# Altium PCB S7.PcbDoc (part 2 of 6) (continued)
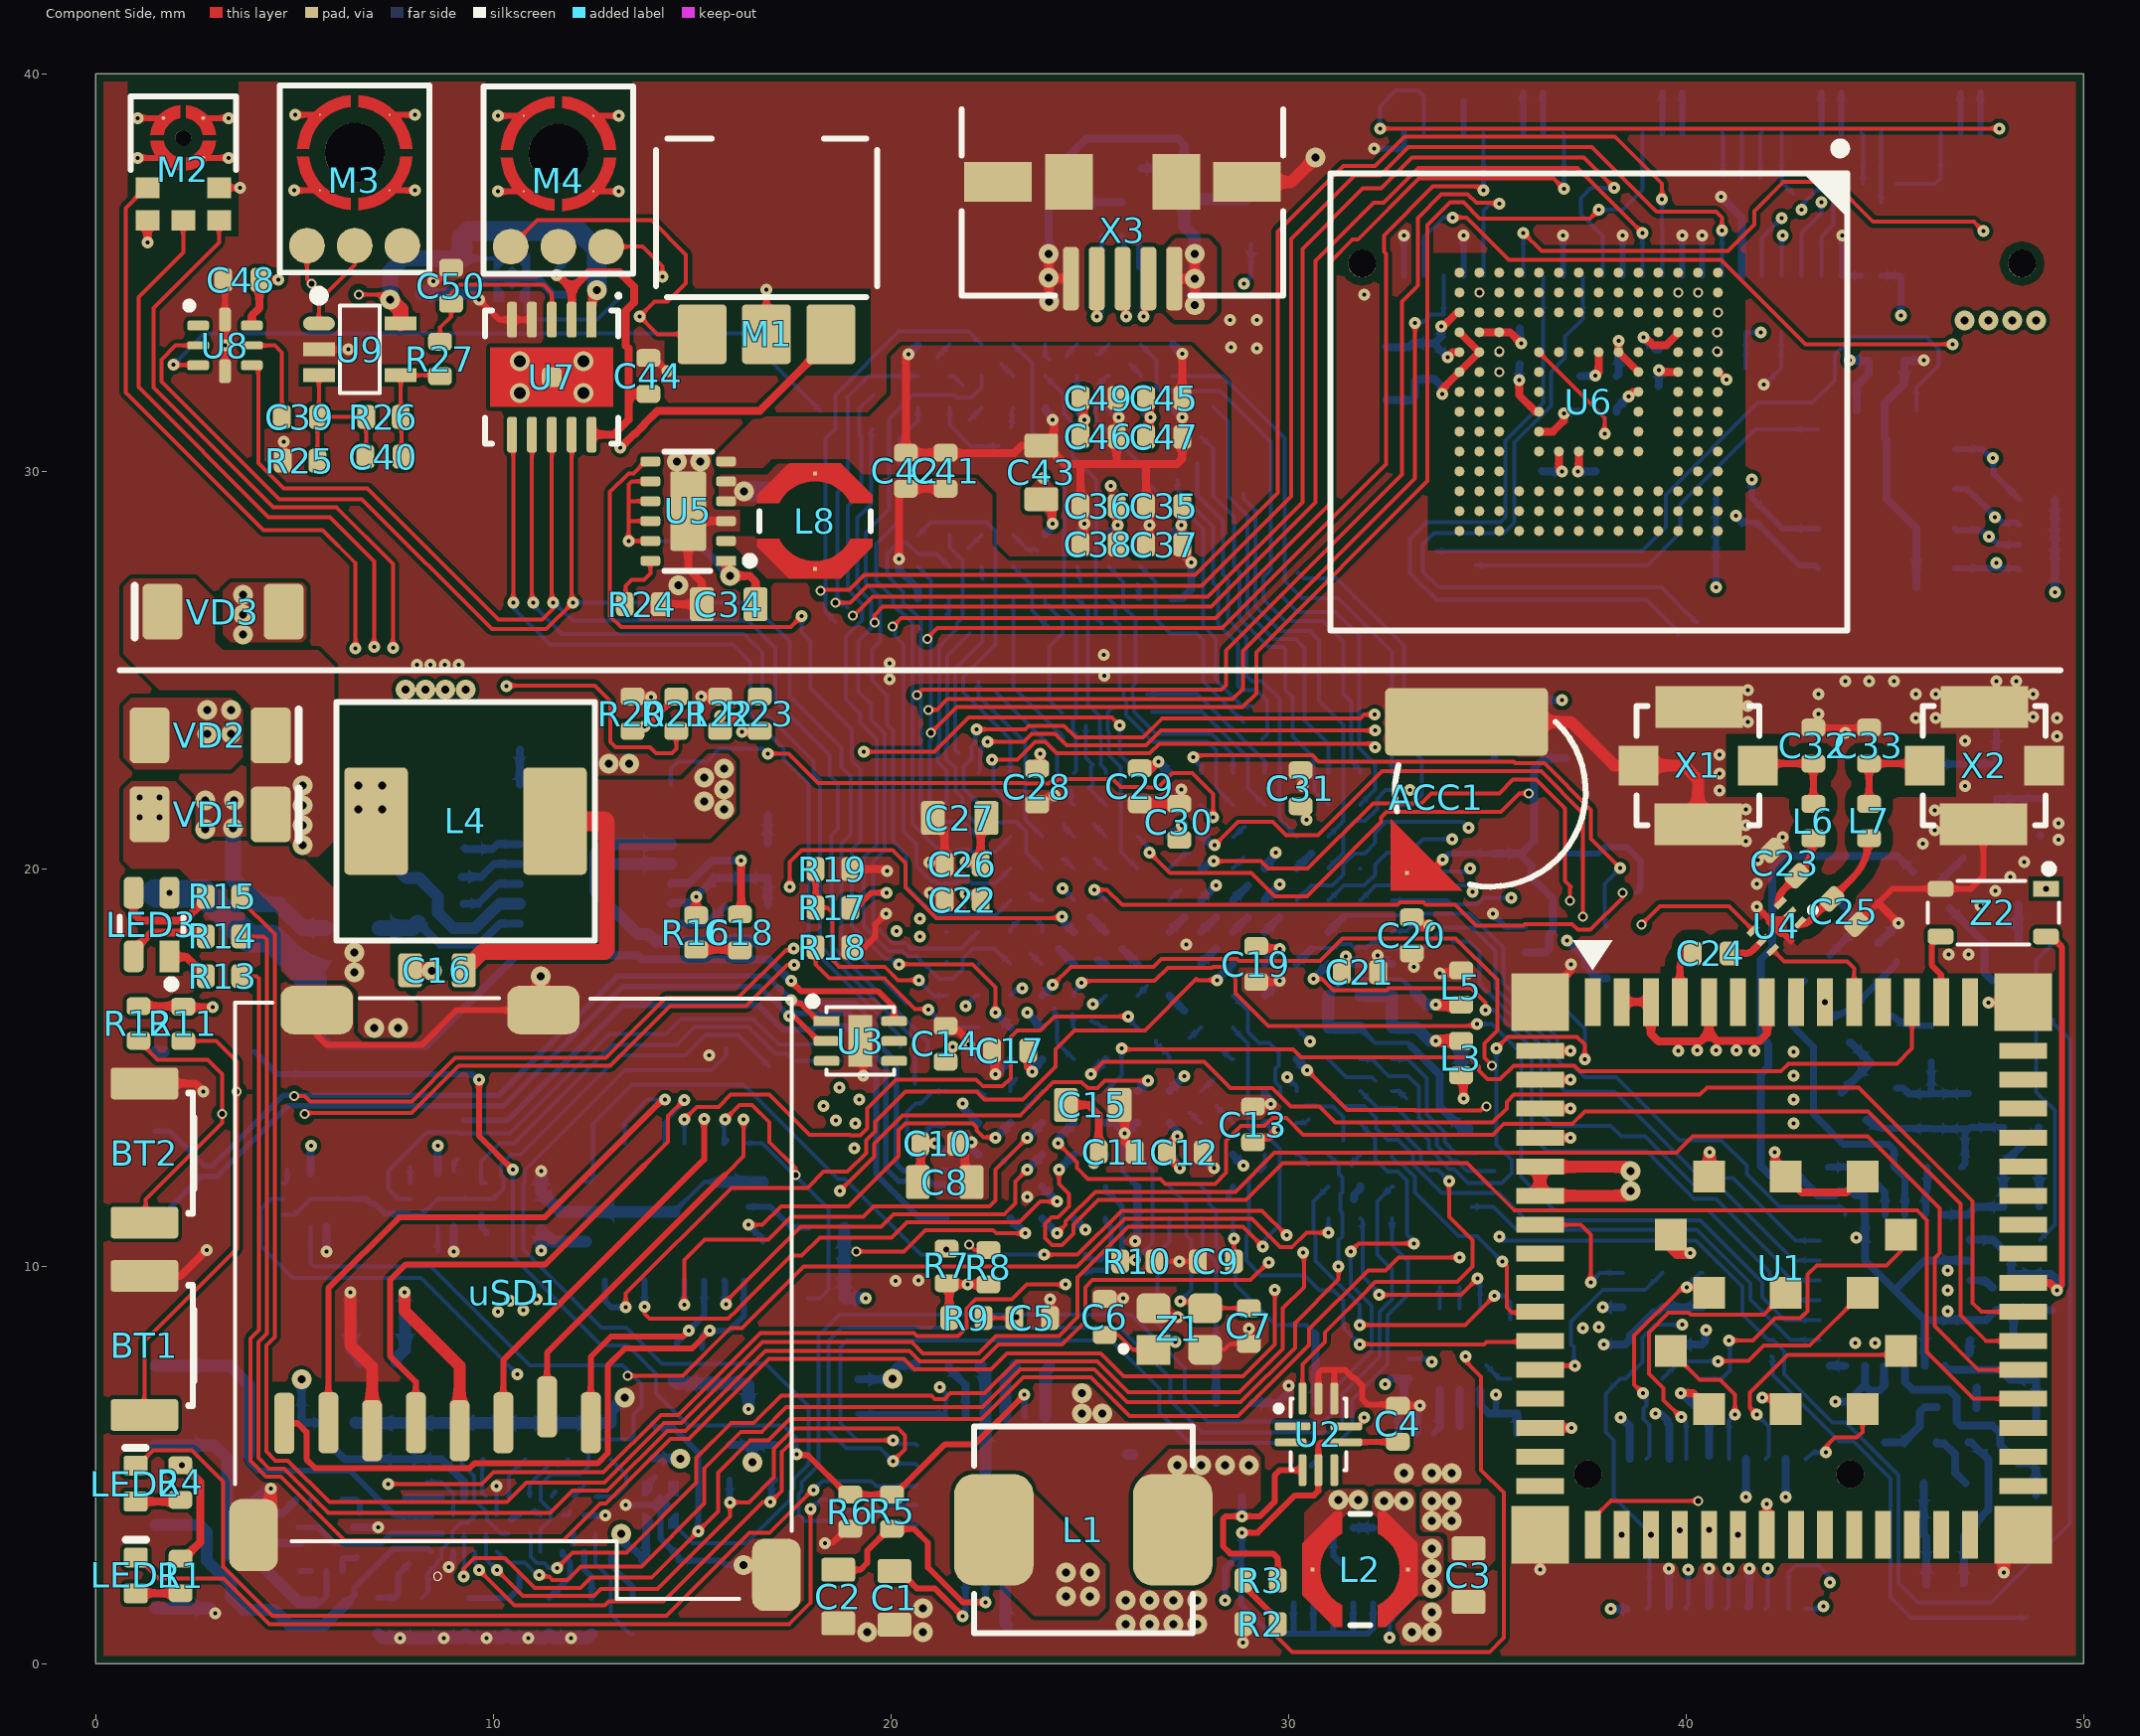
[diagram p0: Component Side view]
## Part data (continued)
R13: library part RMCF0402FT887R, "887 Ohms, ±1%, 0.063W, 1/16W, Thick Film, ±100ppm/°C, 0402 (1005 Metric), -55°C ~ 155°C, Automotive AEC-Q200", Manufacturer="Stackpole Electronics Inc", Operating Temperature="-55°C ~ 155°C", Package / Case="0402 (1005 Metric)", PartNum=RMCF0402FT887RCT-ND, Power (Watts)="0.063W, 1/16W", Temperature Coefficient=±100ppm/°C, Tolerance=±1%, Voltage=75V, Distributor=Digi-Key, Features="Automotive AEC-Q200", PartName=RMCF0402FT887R, Part Number=RMCF0402FT887R, Price=0.10000
R14: library part RMCF0402FT402R, "402 Ohms, ±1%, 0.063W, 1/16W, Thick Film, ±100ppm/°C, 0402 (1005 Metric), -55°C ~ 155°C, Automotive AEC-Q200", Manufacturer="Stackpole Electronics Inc", Operating Temperature="-55°C ~ 155°C", Package / Case="0402 (1005 Metric)", PartNum=RMCF0402FT402RCT-ND, Power (Watts)="0.063W, 1/16W", Temperature Coefficient=±100ppm/°C, Tolerance=±1%, Voltage=75V, Distributor=Digi-Key, Features="Automotive AEC-Q200", PartName=RMCF0402FT402R, Part Number=RMCF0402FT402R, Price=0.10000
R15: library part RMCF0402FT453R, "453 Ohms, ±1%, 0.063W, 1/16W, Thick Film, ±100ppm/°C, 0402 (1005 Metric), -55°C ~ 155°C, Automotive AEC-Q200", Manufacturer="Stackpole Electronics Inc", Operating Temperature="-55°C ~ 155°C", Package / Case="0402 (1005 Metric)", PartNum=RMCF0402FT453RCT-ND, Power (Watts)="0.063W, 1/16W", Temperature Coefficient=±100ppm/°C, Tolerance=±1%, Voltage=75V, Distributor=Digi-Key, Features="Automotive AEC-Q200", PartName=RMCF0402FT453R, Part Number=RMCF0402FT453R, Price=0.10000
R24: library part CRCW040210M0FKEDC, "10 MOhms, ±1%, 0.063W, 1/16W, Thick Film, ±100ppm/°C, 0402 (1005 Metric), -55°C ~ 155°C, -", Manufacturer="Vishay Dale", Operating Temperature="-55°C ~ 155°C", Package / Case="0402 (1005 Metric)", PartNum=541-4068-1-ND, Power (Watts)="0.063W, 1/16W", Temperature Coefficient=±100ppm/°C, Tolerance=±1%, Voltage=75V, Distributor=Digi-Key, Features=-, PartName=CRCW040210M0FKEDC, Part Number=CRCW040210M0FKEDC, Price=0.10000
R25: library part RMCF0402FT133K, "133 kOhms, ±1%, 0.063W, 1/16W, Thick Film, ±100ppm/°C, 0402 (1005 Metric), -55°C ~ 155°C, Automotive AEC-Q200", Manufacturer="Stackpole Electronics Inc", Operating Temperature="-55°C ~ 155°C", Package / Case="0402 (1005 Metric)", PartNum=RMCF0402FT133KCT-ND, Power (Watts)="0.063W, 1/16W", Temperature Coefficient=±100ppm/°C, Tolerance=±1%, Voltage=75V, Distributor=Digi-Key, Features="Automotive AEC-Q200", PartName=RMCF0402FT133K, Part Number=RMCF0402FT133K, Price=0.10000
R27: library part RMCF0402FT20R0, "20 Ohms, ±1%, 0.063W, 1/16W, Thick Film, ±100ppm/°C, 0402 (1005 Metric), -55°C ~ 155°C, Automotive AEC-Q200", Manufacturer="Stackpole Electronics Inc", Operating Temperature="-55°C ~ 155°C", Package / Case="0402 (1005 Metric)", PartNum=RMCF0402FT20R0CT-ND, Power (Watts)="0.063W, 1/16W", Temperature Coefficient=±100ppm/°C, Tolerance=±1%, Voltage=75V, Distributor=Digi-Key, Features="Automotive AEC-Q200", PartName=RMCF0402FT20R0, Part Number=RMCF0402FT20R0, Price=0.10000
R28: "Curr.sens.res. 0.1 Ohm, 1% , 0.333W, 0603", Manufacturer="Panasonic Electronic Components", PartNum=P17478CT-ND, Tolerance=±1%, Distributor=Digi-Key, PartName=ERJ-3BWFR100V
R30: library part RC0402FR-07220RL, "220 Ohms, ±1%, 0.063W, 1/16W, Thick Film, ±100ppm/°C, 0402 (1005 Metric), -55°C ~ 155°C, Moisture Resistant", Manufacturer=Yageo, Operating Temperature="-55°C ~ 155°C", Package / Case="0402 (1005 Metric)", PartNum=311-220LRCT-ND, Power (Watts)="0.063W, 1/16W", Temperature Coefficient=±100ppm/°C, Tolerance=±1%, Voltage=75V, Distributor=Digi-Key, Features="Moisture Resistant", PartName=RC0402FR-07220RL, Part Number=RC0402FR-07220RL, Price=0.10000
R31 R36 R37 R38 R39 R40: "10 K, 0402, Thick Film, -55..+155", Manufacturer="Rohm Semiconductor", PartNum=RHM10KJTR-ND, Tolerance=5%, Distributor=Digi-Key, PartName=MCR01MZPJ103, Price=0.1$
R33 R44 R52 R53: "22k Ohm ±5%,  4 Resistor, -55°C ~ 125°C,(2.00mm x 1.00mm)", Manufacturer="Panasonic Electronic Components", PartNum=Y7223CT-ND, Tolerance=5%, Distributor=Digi-Key, PartName=EXB-28V223JX, Price=0.1$
R41 R42: library part RMCF0402FT10R0, "10 Ohms, ±1%, 0.063W, 1/16W, Thick Film, ±100ppm/°C, 0402 (1005 Metric), -55°C ~ 155°C, Automotive AEC-Q200", Manufacturer="Stackpole Electronics Inc", Operating Temperature="-55°C ~ 155°C", Package / Case="0402 (1005 Metric)", PartNum=RMCF0402FT10R0CT-ND, Power (Watts)="0.063W, 1/16W", Temperature Coefficient=±100ppm/°C, Tolerance=±1%, Voltage=75V, Distributor=Digi-Key, Features="Automotive AEC-Q200", PartName=RMCF0402FT10R0, Part Number=RMCF0402FT10R0, Price=0.10000
R45 R46: library part RMCF0402FT100R, "100 Ohms, ±1%, 0.063W, 1/16W, Thick Film, ±100ppm/°C, 0402 (1005 Metric), -55°C ~ 155°C, Automotive AEC-Q200", Manufacturer="Stackpole Electronics Inc", Operating Temperature="-55°C ~ 155°C", Package / Case="0402 (1005 Metric)", PartNum=RMCF0402FT100RCT-ND, Power (Watts)="0.063W, 1/16W", Temperature Coefficient=±100ppm/°C, Tolerance=±1%, Voltage=75V, Distributor=Digi-Key, Features="Automotive AEC-Q200", PartName=RMCF0402FT100R, Part Number=RMCF0402FT100R, Price=0.10000
R47: library part RMCF0402FT1M00, "1 MOhms, ±1%, 0.063W, 1/16W, Thick Film, ±100ppm/°C, 0402 (1005 Metric), -55°C ~ 155°C, Automotive AEC-Q200", Manufacturer="Stackpole Electronics Inc", Operating Temperature="-55°C ~ 155°C", Package / Case="0402 (1005 Metric)", PartNum=RMCF0402FT1M00CT-ND, Power (Watts)="0.063W, 1/16W", Temperature Coefficient=±100ppm/°C, Tolerance=±1%, Voltage=75V, Distributor=Digi-Key, Features="Automotive AEC-Q200", PartName=RMCF0402FT1M00, Part Number=RMCF0402FT1M00, Price=0.10000
R48: library part RMCF0402FT51K0, "51 kOhms, ±1%, 0.063W, 1/16W, Thick Film, ±100ppm/°C, 0402 (1005 Metric), -55°C ~ 155°C, Automotive AEC-Q200", Manufacturer="Stackpole Electronics Inc", Operating Temperature="-55°C ~ 155°C", Package / Case="0402 (1005 Metric)", PartNum=RMCF0402FT51K0CT-ND, Power (Watts)="0.063W, 1/16W", Temperature Coefficient=±100ppm/°C, Tolerance=±1%, Voltage=75V, Distributor=Digi-Key, Features="Automotive AEC-Q200", PartName=RMCF0402FT51K0, Part Number=RMCF0402FT51K0, Price=0.10000
R49: library part RMCF0402FT27K0, "27 kOhms, ±1%, 0.063W, 1/16W, Thick Film, ±100ppm/°C, 0402 (1005 Metric), -55°C ~ 155°C, Automotive AEC-Q200", Manufacturer="Stackpole Electronics Inc", Operating Temperature="-55°C ~ 155°C", Package / Case="0402 (1005 Metric)", PartNum=RMCF0402FT27K0CT-ND, Power (Watts)="0.063W, 1/16W", Temperature Coefficient=±100ppm/°C, Tolerance=±1%, Voltage=75V, Distributor=Digi-Key, Features="Automotive AEC-Q200", PartName=RMCF0402FT27K0, Part Number=RMCF0402FT27K0, Price=0.10000
R50: library part RMCF0402FT249K, "249 kOhms, ±1%, 0.063W, 1/16W, Thick Film, ±100ppm/°C, 0402 (1005 Metric), -55°C ~ 155°C, Automotive AEC-Q200", Manufacturer="Stackpole Electronics Inc", Operating Temperature="-55°C ~ 155°C", Package / Case="0402 (1005 Metric)", PartNum=RMCF0402FT249KCT-ND, Power (Watts)="0.063W, 1/16W", Temperature Coefficient=±100ppm/°C, Tolerance=±1%, Voltage=75V, Distributor=Digi-Key, Features="Automotive AEC-Q200", PartName=RMCF0402FT249K, Part Number=RMCF0402FT249K, Price=0.10000
R51: library part RMCF0402FT3K00, "3 kOhms, ±1%, 0.063W, 1/16W, Thick Film, ±100ppm/°C, 0402 (1005 Metric), -55°C ~ 155°C, Automotive AEC-Q200", Manufacturer="Stackpole Electronics Inc", Operating Temperature="-55°C ~ 155°C", Package / Case="0402 (1005 Metric)", PartNum=RMCF0402FT3K00CT-ND, Power (Watts)="0.063W, 1/16W", Temperature Coefficient=±100ppm/°C, Tolerance=±1%, Voltage=75V, Distributor=Digi-Key, Features="Automotive AEC-Q200", PartName=RMCF0402FT3K00, Part Number=RMCF0402FT3K00, Price=0.10000
U1: "Bluetooth, WiFi 802.11a/b/g/n, Bluetooth v4.0 Transceiver Module 2.4GHz, 5GHz Integrated, Trace + U.FL Surface Mount", PartNum=1475-1047-1-ND, Distributor=Digi-Key, Nanufacturer="Inventek Systems", PartName=SM4334X-L77-TR
U2: "Current Sense Amplifier, 50V/V, 33 kHz, Vcm=–0.2 V to +40 V, Vcc=1.7V ~ 5.5V, , Icc=40µA, -40°C ~ 125°C, 10-UQFN (1.8x1.4)", Manufacturer="Texas Instruments", PartNum=296-51130-1-ND, Distributor=Digi-Key, PartName=INA190A2IRSWR
U3 U26: "TVS DIODE 5.5VWM 12VC 6HXSON", Manufacturer="NXP Semiconductors", PartNum=568-10921-1-ND, Distributor=Digi-Key, PartName=PUSBM5V5X4-TL,115
U4: "RF Switch IC 802.11/WiFi, WLAN SPDT 6GHz 50 Ohm, -40°C ~ 85°C, 6-MLPD (1x1)", Manufacturer="Skyworks Solutions Inc.", PartNum=863-1177-1-ND, Distributor=Digi-Key, PartName=SKY13351-378LF, Price=089$
U5 U10: "DCDC 1.8-3.3V, 400mA , Iq=360nA, -40°C ~ 85°C, 12-WSON (3x2)", Manufacturer="Texas Instruments", PartNum=296-40852-1-ND, Distributor=Digi-Key, PartName=TPS62742DSSR, Price=1.93$
U6: "4GByte eMMC, 200MHz, 2.7V ~ 3.6V, 153-VFBGA (11.5x13),  -40°C ~ 85°C", Manufacturer="Integrated Silicon Solution Inc", Package="153-VFBGA (11.5x13)", Display Name=IS21ES04G-JCLI, Mfg Part Number=IS21ES04G-JCLI
U7: "16-bit ADC, 100k, Pseudo-Differential, Single Ended, 2.7..3.6V,  -40°C...85°C, 10-VSON", Manufacturer="Texas Instruments", PartNum=296-39886-1-ND, Distributor=Digi-Key, PartName=ADS8866IDRCR
U8: "Digital Potentiometer 100k Ohm 1 Circuit 256 Taps SPI Interface, -40°C ~ 125°C,  8-UQFN (1.5x1.5)", Manufacturer="Texas Instruments", PartNum=296-29585-1-ND, Distributor=Digi-Key, PartName=TPL0501-100RSER
U9: "OpAmp, Class AB,  2.4V ~ 5.5V, -40°C ~ 85°C, SC-70-5", Manufacturer="Maxim Integrated", PartNum=MAX4466EXK+CT-ND, Distributor=Digi-Key, PartName=MAX4466EXK+T
U11: "IC LI+ CHARGER PWR MGMT 24VQFN", Manufacturer=TI, PartNum=296-39592-1-ND, Distributor=Digi-Key, PartName=BQ24296RGET
U12 U27: "LDO 2.5V, 250 mA, Vin < 5.5V, Iq < 20uA, -40..+125 C,  4-XDFN (1x1)", Manufacturer="ON Semiconductor", PartNum=NCP163AMX250TBGOSCT-ND, Distributor=Digi-Key, PartName=NCP163AMX250TBG, Price=0.41$
U13: "Low power CODEC, 24 b, 2/2, I?C, I?S,  1.5V ~ 3.6V,  -25°C ~ 85°C, 34-WLCSP (4.57x1.98)", Manufacturer="Dialog Semiconductor GmbH", PartNum=1564-1043-1-ND, Distributor=Digi-Key, PartName=DA7217-00U32, Price=2.38$
U14 U19 U20: "2 Circuit IC Switch 2:1 600 mOhm,-40°C ~ 85°C, 10-UQFN (1.8x1.4)", Manufacturer="Texas Instruments", PartNum=296-35687-1-ND, Distributor=Digi-Key, PartName=TS3A5223RSWR
U15: "Accelerometer, Gyroscope, Temperature, 3 Axis Sensor I?C, SPI , -40°C ~ 85°C, 14-LGA (2.5x3)", Manufacturer=STMicroelectronics, PartNum=497-17583-1-ND, Distributor=Digi-Key, PartName=ISM330DLCTR, Price=6.28$
U16: "IC RF TxRx Only General ISM < 1GHz LoRaWAN 150MHz ~ 960MHz 24-VFQFN Exposed Pad", Manufacturer="Semtech Corporation", PartName=SX1262IMLTRTCT-ND, Distributor=Digi-Key, PartNum=SX1262IMLTRT, Price=7.94$
U17: library part R7FS7G27H2A01CBD#AC0, Manufacturer=Renesas, PartNum=R7FS7G27H2A01CBD#AC0-ND, Distributor=Digi-Key, PartName=R7FS7G27H2A01CBD#AC0, Price=24$
U18 U24: "Bus Switch 4 x 1:1, 2.3V ~ 3.6V,  -40°C ~ 85°C, 20-VQFN (3.5x4.5)", Manufacturer="Texas Instruments", PartNum=296-19127-1-ND, Distributor=Digi-Key, PartName=SN74CB3Q3244RGYR, Price=1.08$
U21: "1 Circuit IC Switch 1:1 8 Ohm, -40°C ~ 85°C,  SC-70-5", Manufacturer="Texas Instruments", PartNum=296-17706-1-ND, Distributor=Digi-Key, PartName=TS5A4594DCKR
U22: library part 4259-63, "RF Switch IC General Purpose SPDT 3GHz 50 Ohm SC-70-6", Manufacturer=pSemi, PartNum=1046-1011-2-ND, Distributor=Digi-Key, PartName=4259-63
U23: "Buck-Boost IC Positive Adjustable 2.2...40V, 2A, -40°C ~ 125°C, 16-WFDFN", Manufacturer="Analog Devices", PartNum=LTC3115EDHD-1#TRPBFCT-ND, Distributor=Digi-Key, PartName=LTC3115EDHD-1#TRPBF
U25: "Micron SDRAM 256M-Bit 16Mx16, 3.3V, 167MHz, 5.4ns, -40°C ~ 105°C, 54-VFBGA (8x8)", Manufacturer="Micron Technology Inc.", PartNum=557-1932-1-ND, Distributor=Digi-Key, PartName="MT48LC16M16A2B4-6A AAT:G TR", Price=10.7$
uSD1: "microSD cadr holder", Manufacturer="Amphenol Commercial Products", PartName=101-00660-68-6, PartNum=101-00660-68-6-1-ND, Distributor=Digi-Key, Price=1.97$
VD1 VD2 VD3: library part APD240KDTR-G1, "Diode Schottky  40V, 2A, 500mV @ 2A, -, SOD-123, -65°C ~ 125°C", Current - Average Rectified (Io)=2A, Current - Reverse Leakage @ Vr="500µA @ 40V", Manufacturer="Diodes Incorporated", Operating Temperature="-65°C ~ 125°C", Package / Case=SOD-123, PartNum=APD240KDTR-G1DICT-ND, Voltage - DC Reverse (Vr) (Max)=40V, Voltage - Forward (Vf) (Max) @ If="500mV @ 2A", Distributor=Digi-Key, PartName=APD240KDTR-G1, Part Number=APD240KDTR-G1, Price=0.19370, Reverse Recovery Time (trr)=-, Speed="Fast Recovery =< 500ns, > 200mA (Io)"
VD4 VD5: library part BAT43WS-E3-08, "Diode Schottky  30V, 200mA (DC), 450mV @ 15mA, 5ns, SC-76, SOD-323, 125°C (Max)", Current - Average Rectified (Io)="200mA (DC)", Current - Reverse Leakage @ Vr="500nA @ 25V", Manufacturer="Vishay Semiconductor Diodes Division", Operating Temperature="125°C (Max)", Package / Case="SC-76, SOD-323", PartNum=BAT43WS-E3-08GICT-ND, Voltage - DC Reverse (Vr) (Max)=30V, Voltage - Forward (Vf) (Max) @ If="450mV @ 15mA", Distributor=Digi-Key, PartName=BAT43WS-E3-08, Part Number=BAT43WS-E3-08, Price=0.37000, Reverse Recovery Time (trr)=5ns, Speed="Small Signal =< 200mA (Io), Any Speed"
X1 X2 X5: library part 0734120110, "U.FL (UMCC) Connector Receptacle, Male Pin 50 Ohm Surface Mount Solder", Manufacturer=Molex, PartNum=WM5587TR-ND, Distributor=Digi-Key, PartName=0734120110
X3: "USB - micro B USB 2.0 Receptacle Connector 5 Position Surface Mount, Right Angle", Manufacturer="Amphenol FCI", PartNum=609-4052-1-ND, Distributor=Digi-Key, PartName=10104110-0001LF, Price=0.79$
X4: "20 Position Connector Receptacle, Center Strip Contacts Surface Mount Gold, height 2.7 mm, pitch 0.5 mm", Manufacturer="Amphenol ICC (FCI)", PartNum=609-5029-1-ND, Distributor=Digi-Key, PartName=10132798-022100LF
X6: "60 Position Connector Receptacle, Center Strip Contacts Surface Mount Gold, height 2.7 mm, pitch 0.5 mm", Manufacturer="Amphenol ICC (FCI)", PartNum=609-5230-1-ND, Distributor=Digi-Key, PartName=10132798-062100LF
Z1: "24 MHz, 10 pF, ±20ppm, 2.00mm x 1.60mm, -40°C ~ 85°C", Manufacturer="Abracon LLC", PartNum=535-10940-1-ND, Tolerance="20 ppm", Distributor=Digi-Key, PartName=ABM11-24.000MHZ-D2X-T3, Price="1.36 $"
Z2: "32.768kHz XO (Standard) CMOS Oscillator 1.5V ~ 5.5V, -20°C ~ 70°C, 4-SMD  (3.20mm x 1.50mm)", Manufacturer=EPSON, PartNum=SER4328CT-ND, Distributor=DigiKey, PartName="SG-3030CM 32.7680KB3", Price=1.6$
Z3: "32MHz VCTCXO Oscillator 1.8V 4-SMD, No Lead", Manufacturer="NDK America, Inc.", PartNum=644-1328-1-ND, Tolerance=±2ppm, Distributor=Digi-Key, PartName=NT2016SA-32M-END4263A, Price=1.6$
Z4: "32.768 kHz, 12.5 pF, 70 kOhm, ±20ppm, 3.2 x 1.5 mm, -40°C ~ 85°C", Manufacturer="Abracon Corporation", PartNum=535-9542-1-ND, Tolerance="20 ppm", Distributor=Digi-Key, PartName=ABS07-32.768KHZ-T, Price=1.09$

## Via types
v1: diameter 0.3, hole 0.1, Component Side to Solder Side, tented both sides, 467 vias
v2: diameter 0.35/0.3 (per signal layer), hole 0.15, Inner4 to Solder Side, tented both sides, 214 vias
v3: diameter 0.5, hole 0.2, Component Side to Solder Side, tented both sides, 98 vias
v4: diameter 0.25/0.35 (per signal layer), hole 0.15, Component Side to Inner1, tented both sides, 46 vias
v5: diameter 0.5, hole 0.15, Inner4 to Solder Side, tented both sides, 28 vias
v6: diameter 0.5/0.5 (per signal layer), hole 0.15, Inner4 to Solder Side, tented both sides, 14 vias
v7: diameter 0.3, hole 0.1, Inner4 to Solder Side, tented both sides, 6 vias
v8: diameter 0.5, hole 0.3, Component Side to Solder Side, 4 vias
v9: diameter 0.5, hole 0.2, Component Side to Inner1, tented both sides, 4 vias
v10: diameter 0.5, hole 0.2, Inner4 to Solder Side, tented both sides, 4 vias
v11: diameter 0.5, hole 0.15, Component Side to Inner1, tented both sides, 4 vias
v12: diameter 0.3, hole 0.1, Component Side to Inner1, tented both sides, 2 vias

## Nets (pads, with @x,y where several pads share a name; then routed paths per layer and width w, separated by ;. In a path a pad name is that pad's centre, name@x,y a point inside that pad or via, vN(x,y) a via of type N, cw(c..) or ccw(c..) an arc to the next point about the centre after c; other vN are vias at no path point)
32KHZ_OSC_EN: U17.G3 Z2.1 | length 31
  Component Side w0.1: v1(26.51,20.41) 27.02,19.9 27.986,19.9 27.996,19.89 28.244,19.89 28.254,19.9 29.066,19.9 29.656,19.31 30.461,19.31 32.33,21.179 32.33,21.293 32.466,21.428 35.337,21.428 35.809,21.9 v4(36.045,21.9)
  Inner1 w0.08: 36.347,22.808 36.758,23.22 40.65,23.22 40.758,23.329 40.758,24.306 41.248,24.796 43.461,24.796 44.157,24.1 47.863,24.1 49.05,22.913 v4(49.05,19.5)
  Inner1 w0.1: v4(36.045,21.9) 36.045,22.507 36.347,22.808
  Solder Side w0.1: U17.G3@26.2,20.804 26.217,20.804 26.51,20.511 26.479,20.48 26.51,20.449 v1(26.51,20.41)
+3V3: C3.1 C8.1 C10.1 C11.1 C12.1 C13.1 C15.1 C17.1 C19.1 C21.1 C22.1 C26.1 C27.1 C28.1 C30.1 C31.1 C44.1 C48.2 C58.1 C68.2 C71.1 C72.1 C77.1 C79.1 C80.2 C81.2 C82.2 C83.1 C84.2 C88.2 C109.1 C113.1 C114.1 C115.1 C116.1 C117.1 C118.2 C119.1 C120.1 L3.1 M2.5 R7.2 R8.2 R9.2 R11.2 R12.2 R17.1 R29.2 R31.2 R32.2 R33.5 R33.6 R33.7 R33.8 R34.1 R35.2 R37.2 R38.1 R42.1 R44.1 R44.2 R44.3 R44.4 R51.1 R52.1 R52.2 R52.3 R52.4 R53.1 R53.2 R53.3 R53.4 U1.23 U6.C6 U6.E6 U6.F5 U6.J10 U6.K9 U6.M4 U6.N4 U6.P3 U6.P5 U7.2 U7.10 U8.7 U10.6 U12.4 U13.A13 U13.C5 U14.1 U15.5 U15.8 U16.1 U16.10 U16.11 U17.A13 U17.B4 U17.B5 U17.D1 U17.D10 U17.F13 U17.H3 U17.H12 U17.H13 U17.L7 U17.L12 U17.M2 U17.P7 U18.20 U19.1 U20.1 U21.5 U24.20 U27.4 uSD1.4 X4.1 X4.20 X6.55 X6.56 Z2.4 | length 219.8
  Component Side w0.1: C21.1@31.348,17.4 C21.1@31.348,17.474
  Component Side w0.15: R17.1@18.975,19.02 19.128,19.02 19.507,19.399 19.885,19.399 v1(19.89,19.394) ; Z2.4@49.05,18.3 49.185,18.3 49.46,18.025 49.46,9.535 v1(49.325,9.4)
  Component Side w0.2: R12.2@1.075,16.545 2.19,16.545 R11.2@2.2,16.535 2.216,16.519 v1(2.947,16.519) ; v1(1.3,35.761) M2.5@1.3,36.315 ; U8.7@3.925,33.667 3.925,33.917 4.114,34.107 C48.2@4.114,34.817 v1(4.591,34.817) ; v1(11.59,34.935) 11.622,34.935 11.972,34.585 ; U7.2@11.972,33.814 11.972,34.585 ; U7.10@12.472,30.924 13.026,30.924 13.401,31.299 13.401,33.094 13.335,33.159 13.335,34.045 13.537,34.246 13.537,34.646 13.181,35.002 12.73,35.002 12.39,35.002 11.972,34.585 ; 13.401,31.948 C44.1@13.901,31.948 ; C8.1@20.677,12.116 20.748,12.187 20.748,13.011 20.837,13.1 v1(21.11,13.1) ; R7.2@21.4,9.575 R7.2@21.427,9.548 ; R9.2@21.465,8.7 21.465,9.51 R7.2@21.427,9.548 ; v1(21.875,19.375) 21.894,19.355 22.134,19.355 22.258,19.231 C22.1@22.258,19.218 ; v1(21.875,20.175) 21.894,20.155 22.21,20.155 C26.1@22.256,20.109 22.256,21.124 C27.1@22.41,21.278 ; R8.2@22.45,9.54 22.442,9.548 R7.2@21.427,9.548 ; C17.1@23.502,15.425 23.444,15.367 23.444,15.013 v1(23.559,14.898) ; C28.1@23.677,22.52 23.86,22.52 23.755,22.625 v1(23.755,22.9) ; C15.1@24.4,14.059 24.971,14.059 25.225,13.804 C11.1@25.225,12.88 ; v1(27.2,13.274) 26.938,13.011 26.938,12.795 27.263,12.47 v1(27.27,12.47) ; C30.1@27.252,20.727 27.32,20.795 v1(27.32,21.1) ; C13.1@29.187,13.125 29.305,13.242 29.507,13.242 29.698,13.434 v1(29.725,13.434) ; C19.1@29.187,18.056 29.245,17.998 29.756,17.998 v1(29.775,17.979) ; C31.1@30.303,21.575 30.317,21.575 30.441,21.451 30.441,21.249 v1(30.46,21.23) ; C21.1@31.348,17.4 31.441,17.493 v1(31.441,17.799) ; v1(33.84,33.64) 33.886,33.64 34.246,34 U6.P3@34.3,34 ; v1(34.003,32.875) 34.128,33 U6.P5@34.3,33 ; L3.1@34.34,14.803 34.4,14.743 v1(34.4,14.225) ; U6.N4@34.8,33.5 U6.M4@35.3,33.5 35.571,33.5 v1(35.85,33.221) ; U6.K9@36.3,31 36.649,31 36.925,31.276 v1(36.925,31.457) ; U6.J10@36.8,30.5 36.8,30.055 36.859,29.996 v1(36.88,29.996) ; v1(38.3,33.277) U6.F5@38.3,33 U6.E6@38.8,32.5 ; v1(39.315,32.542) 39.315,32.492 39.32,32.487 39.332,32.5 U6.C6@39.8,32.5 ; U1.23@48.475,9.585 49.14,9.585 v1(49.325,9.4)
  Component Side w0.3: v1(7.768,9.35) 7.768,8.878 9.15,7.496 uSD1.4@9.15,5.865 ; R17.1@18.975,19.02 18.975,19.095 R17.1@19.05,19.17
  Inner1 w0.3: v1(2.947,16.519) 2.947,15.931 2.096,15.08 2.096,12.842 4.5,10.438 4.5,6.553 6.985,4.068 7.241,4.068 7.866,3.443 7.866,2.194 8.446,1.614 13.851,1.614 14.813,2.577 15.286,2.577 16.01,3.3 18.014,3.3 19.5,4.786 19.5,6.535 20.04,7.075 v3(20.04,7.17)
  Inner1 w0.5: v1(7.768,9.35) 8.91,8.208 12.253,8.208 ; v1(8.6,13.029) 8.6,12.773 7.727,11.9 5.414,11.9 ; v1(11.2,10.4) 12.032,10.4 12.272,10.16 12.272,8.227 12.253,8.208 ; v1(11.59,34.935) 10.864,35.661 5.435,35.661 v1(4.591,34.817) 3.729,34.817 2.786,35.761 v1(1.3,35.761) 1.2,35.661 1.2,31.7 1.7,31.2 2.735,31.2 4.5,29.435 4.5,23.613 4.3,23.413 4.3,20.14 5.34,19.1 5.34,15.878 6.2,15.018 6.2,13.815 v1(5.414,13.029) 5.414,11.9 ; v3(13.213,3.273) 12.941,3 10.604,3 10.004,3.6 9.1,3.6 8.6,4.1 8.6,4.9 7.7,5.8 6.527,5.8 v3(5.175,7.152) 5.175,11.662 5.414,11.9 ; v3(20.04,7.17) 14.73,7.17 13.692,8.208 12.253,8.208
  Inner4 w0.15: v2(10.135,34.44) 11.095,34.44 v1(11.59,34.935) ; v2(11.513,3.088) 11.513,3.01 11.495,2.992 12.125,2.363 13.15,2.363 13.348,2.56 13.348,3.137 v3(13.213,3.273)
  Inner4 w0.2: v2(5.018,4.104) 5.018,5.907 v2(5.175,6.064)
  Solder Side w0.15: U27.4@10.11,34.36 10.11,34.415 v2(10.135,34.44) ; v1(11.59,34.935) 11.59,35.052 C120.1@11.89,35.352 ; v1(35.22,6.77) 35.22,6.311 35.231,6.3 ; v1(40.75,27.08) R53.1@40.75,27.573 R53.2@40.75,28.21 R53.3@40.75,28.71 R53.4@40.75,29.347 ; X6.55@44.9,34.925 X6.56@45.4,34.925 v1(45.4,33.92)
  Solder Side w0.2: v2(5.018,4.104) 4.703,3.79 4.487,3.79 4.354,3.657 4.354,3.515 3.908,3.069 C68.2@3.908,3.063 3.934,3.037 U14.1@5.155,3.037 ; v3(5.175,7.152) v2(5.175,6.064) 5.775,6.065 5.85,5.99 5.85,5.56 6.262,5.148 C79.1@7.7,5.148 C77.1@8.7,5.148 9.263,4.586 U13.A13@9.263,4.203 ; U20.1@5.4,12.35 5.4,13.015 v1(5.414,13.029) ; U19.1@8.6,12.35 v1(8.6,13.029) ; v3@13.27,3.062 13.44,2.893 13.524,2.893 13.748,2.668 C58.1@13.748,2.6 13.84,2.692 U12.4@13.84,3.49 ; R35.2@14,5.17 14.695,5.17 v3(14.705,5.16) ; R32.2@15.94,5.503 16.514,5.503 ; v3(16.523,5.068) 16.514,5.077 16.514,5.503 ; R29.2@17.087,5.503 16.514,5.503 ; R34.1@19.175,7.152 19.837,7.152 19.855,7.17 v3(20.04,7.17) 20.04,7.355 20.197,7.512 R42.1@20.59,7.512 ; v1(21.11,13.1) 21.11,13.094 U17.A13@21.4,12.804 ; v1(21.875,19.375) 21.894,19.355 21.981,19.355 22.132,19.204 U17.B5@22.2,19.204 ; v1(21.875,20.175) 21.894,20.155 21.981,20.155 22.132,20.004 U17.B4@22.2,20.004 ; v1(23.559,14.898) 23.579,14.917 23.579,14.956 23.8,15.177 U17.D10@23.8,15.204 ; v1(23.755,22.9) 23.755,22.506 23.8,22.461 U17.D1@23.8,22.404 ; v1(25.1,12.6) 25.119,12.619 25.147,12.619 25.332,12.804 U17.F13@25.4,12.804 ; U17.H13@27,12.804 27,12.767 27.27,12.497 v1(27.27,12.47) ; U17.H12@27,13.604 27.2,13.404 v1(27.2,13.274) ; U17.H3@27,20.804 27.024,20.804 v1(27.32,21.1) ; U17.L12@29.4,13.604 29.468,13.604 29.619,13.453 29.706,13.453 v1(29.725,13.434) ; U17.L7@29.4,17.604 v1(29.775,17.979) ; U17.M2@30.2,21.604 30.2,21.536 30.441,21.296 30.441,21.249 v1(30.46,21.23) ; v1(31.441,17.799) 31.636,17.604 U17.P7@31.8,17.604 ; v1(32.427,7.03) 32.572,7.175 U15.8@32.925,7.175 ; C117.1@32.455,33.141 32.471,33.125 33.027,33.125 33.123,33.221 C116.1@33.675,33.221 ; C72.1@32.748,5.8 32.777,5.829 32.777,6.393 32.9,6.516 32.9,7.15 U15.8@32.925,7.175 ; U15.8@33.025,7.175 U15.8@32.925,7.175 ; v1(33.84,33.64) 33.84,33.389 33.841,33.388 C116.1@33.675,33.221 ; v1(34.003,32.875) 33.675,33.203 C116.1@33.675,33.221 ; U15.5@34.8,6.9 34.825,6.875 34.825,6.512 35.037,6.3 35.231,6.3 35.752,6.3 C71.1@35.752,5.8 ; C119.1@35.818,33.595 35.818,33.253 v1(35.85,33.221) ; R51.1@36.045,24.239 v1(36.88,24.239) ; C109.1@36.375,30.01 36.389,29.996 v1(36.88,29.996) ; v1(36.925,31.457) 36.968,31.5 C115.1@37.348,31.5 ; v1(37,18.2) 37.45,17.75 37.45,17.575 37.775,17.25 U21.5@38,17.25 ; v1(37.925,8.035) 38.468,8.035 38.592,8.159 38.592,8.252 39.188,8.848 39.283,8.848 R38.1@39.4,8.965 R37.2@40.4,8.965 ; v1(38.1,1.378) X4.1@38.5,1.378 ; C114.1@38.252,32.4 38.3,32.448 v1(38.3,33.277) ; v1(38.35,6.2) 38.363,6.2 38.576,5.987 X4.20@38.576,5.162 ; C113.1@39.3,32.148 39.315,32.163 v1(39.315,32.542) ; v1(43.75,6.59) 44.065,6.59 44.5,7.025 ; v1(44.12,32.792) 44.124,32.787 C118.2@44.588,32.787 44.588,32.453 44.29,32.155 U24.20@44.29,31.537 ; U16.11@44.5,7.5 44.5,7.025 ; 44.6,6.9 44.5,7 44.5,7.025 ; 44.65,6.875 44.864,6.875 44.981,6.992 44.981,7.481 U16.10@45,7.5 ; U16.1@47.131,10.669 U16.1@47.15,10.65 47.169,10.669 47.721,10.669 48.184,10.205 48.184,9.804 C81.2@48.2,9.804 48.202,9.802 49.198,9.802 C80.2@49.2,9.8 49.306,9.694 49.306,9.419 v1(49.325,9.4) ; v1(49.275,26.953) R52.4@49.275,27.517 R52.3@49.275,28.155 R52.2@49.275,28.655 R52.1@49.275,29.292
  Solder Side w0.3: C82.2@7.552,7.6 7.552,7.675 7.775,7.898 C84.2@7.775,8.7 7.768,8.707 v1(7.768,9.35) ; v1(11.2,10.4) 11.2,10.91 11.486,10.625 U18.20@12.325,10.625 ; R33.8@14.526,7.137 R33.8@14.613,7.05 R33.7@15.25,7.05 R33.6@15.75,7.05 R33.5@16.387,7.05 16.419,7.019 v1(16.419,6.412) ; R44.1@18.826,10.973 R44.2@18.826,10.336 R44.3@18.826,9.836 R44.4@18.826,9.198 v1(19.364,9.198) ; R42.1@20.578,7.5 R42.1@20.59,7.512
  other v1: 21.935,9.548
  other v3: 33.6,3.6 34.1,3.6 33.6,4.1 34.1,4.1
+3V3_SDRAM: C35.1 C36.1 C37.1 C38.1 C41.1 C42.1 C43.1 C45.1 C46.1 C47.1 C49.1 U5.6 U25.A7 U25.A9 U25.B3 U25.C7 U25.D3 U25.E7 U25.J9 | length 21.5
  Component Side w0.2: v1(20.44,32.94) 20.375,32.875 C42.1@20.375,30.467 C41.1@21.375,30.467 21.387,30.455 23.1,30.455 23.295,30.65 C43.1@23.785,30.65 C43.1@23.906,30.65 ; v1@24.106,31.3 24.106,30.85 C43.1@23.906,30.65 ; C38.1@24.773,28.16 24.851,28.238 24.851,28.661 v1(24.87,28.68) ; v1@24.89,28.687 24.89,29.008 C36.1@24.773,29.125 24.773,30.126 24.833,30.186 ; C49.1@25.677,31.845 25.706,31.816 25.706,31.374 v1(25.725,31.355) 25.706,31.336 25.706,30.904 C46.1@25.677,30.875 25.677,30.21 25.701,30.186 ; C37.1@26.421,28.155 26.491,28.225 26.491,28.621 v1(26.51,28.64) 26.491,28.659 26.491,29.057 C35.1@26.423,29.125 26.423,30.162 26.447,30.186 ; v1(27.325,32.955) 27.326,32.954 27.326,31.846 C45.1@27.327,31.845 27.326,31.844 v1(27.325,31.355) v1(27.325,31.355) 27.326,31.354 C47.1@27.326,30.866 ; C43.1@23.906,30.65 24.37,30.186 24.833,30.186 ; 24.833,30.186 25.701,30.186 ; 25.701,30.186 26.447,30.186 ; 26.447,30.186 27.193,30.186 27.326,30.319 C47.1@27.326,30.866 ; C47.1@27.326,30.866 C47.1@27.327,30.865
  Solder Side w0.2: v1(20.44,32.94) U25.J9@20.675,33.175 ; U25.E7@23.89,31.59 23.89,31.534 24.051,31.374 24.051,31.319 v1(24.07,31.3) ; U25.D3@24.675,28.405 24.675,28.431 24.851,28.606 24.851,28.661 v1(24.87,28.68) ; U25.C7@25.49,31.59 v1(25.725,31.355) ; U25.B3@26.275,28.405 v1(26.51,28.64) ; U25.A7@27.09,31.59 v1(27.325,31.355) ; U25.A9@27.09,33.19 v1(27.325,32.955)
ADS_CNV: U7.6 U17.J11 | length 31.2
  Component Side w0.1: U7.6@10.472,30.924 10.5,30.897 v1(10.5,26.7) v1@10.5,26.625
  Inner4 w0.08: v2(20.249,15.535) 20.325,15.535 20.597,15.807 21.411,15.807 21.474,15.87 22.215,15.87 22.426,15.659 23.532,15.659 23.631,15.56 23.992,15.56 24.432,15.119 25.145,15.119 25.274,14.99 26.947,14.99 27.025,15.069 27.726,15.069 v2(28.104,14.691)
  Solder Side w0.1: v1(10.5,26.7) 10.5,26.625 10.472,26.597 11.43,25.64 16.023,25.64 16.47,25.194 16.47,23.855 17.3,23.024 17.3,22.776 17.293,22.769 17.925,22.137 17.925,18.085 20.232,15.778 20.232,15.518 v2(20.249,15.535) ; U17.J11@27.8,14.404 27.809,14.404 28.095,14.691 v2(28.104,14.691)
AMIC_EN: U17.G11 U27.3 | length 40.8
  Component Side w0.1: v1(18.714,11.9) 19.576,12.762 19.576,13.086 19.8,13.31 19.8,13.312 20.288,13.8 23.248,13.8 24.082,14.634 24.796,14.634 24.951,14.479 25.188,14.479 25.375,14.665 v1(26.461,14.665)
  Inner4 w0.1: v2(13.2,34.4) 15.088,34.4 16.8,32.688 16.8,25.942 17.18,25.561 17.444,25.561 17.69,25.315 17.69,24.609 18.147,24.153 18.147,19.736 17.582,19.172 17.123,19.172 16.138,18.187 16.138,15.687 16.2,15.624 16.2,15.369 16.138,15.306 16.138,14.477 v1(18.714,11.9)
  Solder Side w0.1: 10.83,34.51 U27.3@10.83,34.36 10.83,34.003 11.013,33.82 12.62,33.82 v2(13.2,34.4)
  Solder Side w0.2: U17.G11@26.2,14.404 v1(26.461,14.665)
AUDIO_CLK: U13.D10 U17.N13 | length 29.5
  Component Side w0.1: v1(11.152,2.232) 11.191,2.193 11.405,2.193 11.486,2.113 11.863,2.113 12.2,2.45 13.725,2.45 15.305,4.03 15.305,4.914 16.23,5.839 16.749,5.839 17.37,6.46 22.299,6.46 23.249,7.41 25.112,7.41 25.937,6.585 28.798,6.585 30.161,7.948 30.161,8.576 31.26,9.675 v1(31.26,10)
  Solder Side w0.1: U13.D10@10.088,2.818 10.365,2.54 10.786,2.54 11.095,2.232 v1(11.152,2.232) ; U17.N13@31,12.804 31.263,12.542 31.263,12.326 31.35,12.238 31.35,11.859 31.308,11.817 31.308,11.392 31.35,11.349 31.35,10.751 31.26,10.661 v1(31.26,10)
BAT_NTC: P_NTC1.1 R5.2 R6.2 U11.11 | length 28.2
  Component Side w0.15: v1(9.641,14.691) 9.641,13.278 v1(10.49,12.43) ; v1(17.625,5.275) 17.654,5.246 17.914,5.246 18.9,4.26 R6.2@18.975,4.26 R5.2@20.025,4.26 20.1,4.26 21.363,5.523 22.112,5.523 v1(23.36,6.771)
  Solder Side w0.1: v1(10.49,12.43) 10.49,10.242 12.719,8.012 13.372,8.012 13.384,8 13.39,8 14.065,7.325 14.065,7.319 14.089,7.295 14.089,6.813 14.903,6 17.297,6 17.625,5.672 v1(17.625,5.275)
  Solder Side w0.15: P_NTC1.1@4,15.4 4.563,14.837 9.454,14.837 9.601,14.691 v1(9.641,14.691) ; v1(23.36,6.771) 23.36,6.24 U11.11@23.375,6.225
BBFB: R16.2 R47.1 R48.1 R50.2 U23.7 | length 3.8
  Component Side w0.2: R16.2@15.1,18.835 v1(15.1,19.3)
  Solder Side w0.2: U23.7@14.462,19.125 14.487,19.15 14.95,19.15 v1(15.1,19.3) 15.565,19.765 R47.1@15.8,19.765 R48.1@16.9,19.765 R50.2@16.9,19.1
BOOT_MODE: R7.1 U17.C8 X4.9 | length 43.9
  Inner1 w0.08: v1(23.3,17) 21.879,17 21.427,16.548 21.427,16.447 20.8,15.82 20.8,12.969 21.396,12.373 v4(21.396,10.425) 21.396,8.924 20.587,8.116 20.587,6.567 21.059,6.095 24.155,6.095 24.581,5.67 25.89,5.67 27.09,4.47 29.38,4.47 29.95,3.9 29.95,2.141 31.791,0.3 33.803,0.3 34.433,0.93 42.482,0.93 42.692,1.14 43.72,1.14 43.93,1.35 43.93,1.739 v1(43.62,2.05)
  Solder Side w0.1: U17.C8@23,16.804 23.004,16.804 23.3,17.1 v1(23.3,17) ; X4.9@42.576,1.381 42.576,2.296 42.749,2.469 43.332,2.469 43.62,2.181 v1(43.62,2.05)
BT1: BT2.1 R12.1 U17.G6 | length 32.6
  Component Side w0.1: R12.1@1.075,15.675 1.143,15.675 1.267,15.551 1.267,15.483 1.55,15.2 2.818,15.2 3.183,14.835 v4(3.183,13.83) 3.183,13.607 1.259,11.683 1.259,11.134 BT2.1@1.225,11.1 ; v4(5.25,13.83) 5.28,13.86 7.942,13.86 9.126,15.045 12.942,15.045 14.443,16.545 16.355,16.545 17.397,17.587 v1(17.563,17.587)
  Inner1 w0.1: v4(3.183,13.83) 5.217,13.83 v4@5.247,13.86
  Inner4 w0.08: v1(17.563,17.587) 17.84,17.31 20.32,17.31 20.5,17.49 20.82,17.49 21.251,17.059 22.541,17.059 22.859,17.377 23.72,17.377 23.831,17.487 24.43,17.487 25.032,18.089 25.185,18.089 25.696,18.6 v2(26.2,18.6)
BT2: BT1.1 R11.1 U17.G2 | length 39.6
  Component Side w0.1: BT1.1@1.225,6.257 1.225,8.122 3.55,10.447 3.55,15.143 3.028,15.665 R11.1@2.2,15.665 ; v4(4.994,14.28) 5.26,14.28 5.39,14.15 7.949,14.15 9.044,15.245 12.832,15.245 14.348,16.76 16.159,16.76 17.349,17.95 v1@17.563,17.95
  Inner1 w0.1: v4(3.54,14.39) 4.884,14.39 v4(4.994,14.28)
  Inner4 w0.08: v1(17.56,17.99) 17.57,17.99 17.891,17.669 19.347,17.669 19.579,17.9 20.381,17.9 20.514,17.767 20.797,17.767 21.28,17.284 22.33,17.284 22.603,17.557 23.645,17.557 23.756,17.667 24.355,17.667 24.957,18.269 25.104,18.269 26.052,19.218 26.052,20.82 v2(26.503,21.27)
  Solder Side w0.1: U17.G2@26.2,21.604 26.2,21.588 26.503,21.286 v2(26.503,21.27)
BT_HOST_WAKE: U1.12 U17.F11 | length 23.1
  Component Side w0.1: v1(25.8,15.48) 25.825,15.455 30.119,15.455 30.316,15.258 34.556,15.258 34.791,15.024 34.791,14.916 35.004,14.702 35.32,14.702 35.663,15.045 37.191,15.045 37.326,14.91 42.386,14.91 42.576,15.1 45.3,15.1 45.685,15.485 U1.12@45.685,16.65
  Solder Side w0.1: U17.F11@25.4,14.404 25.8,14.804 v1(25.8,15.48)
BT_REG_ON: U1.50 U17.L13 | length 11.6
  Component Side w0.1: v1(31.788,8.038) 34.915,8.038 34.977,8.1 36.3,8.1 U1.50@36.325,8.125
  Solder Side w0.1: U17.L13@29.4,12.804 29.4,12.5 29.3,12.4 29.175,12.4 29,12.225 29,10.825 28.94,10.764 28.94,10.143 29.31,9.773 30.409,9.773 30.782,9.4 31.126,9.4 31.375,9.151 31.375,8.452 v1(31.788,8.038)